# Altium PCB IMX6 DEV BOARD.PcbDoc (part 8 of 12) (continued)
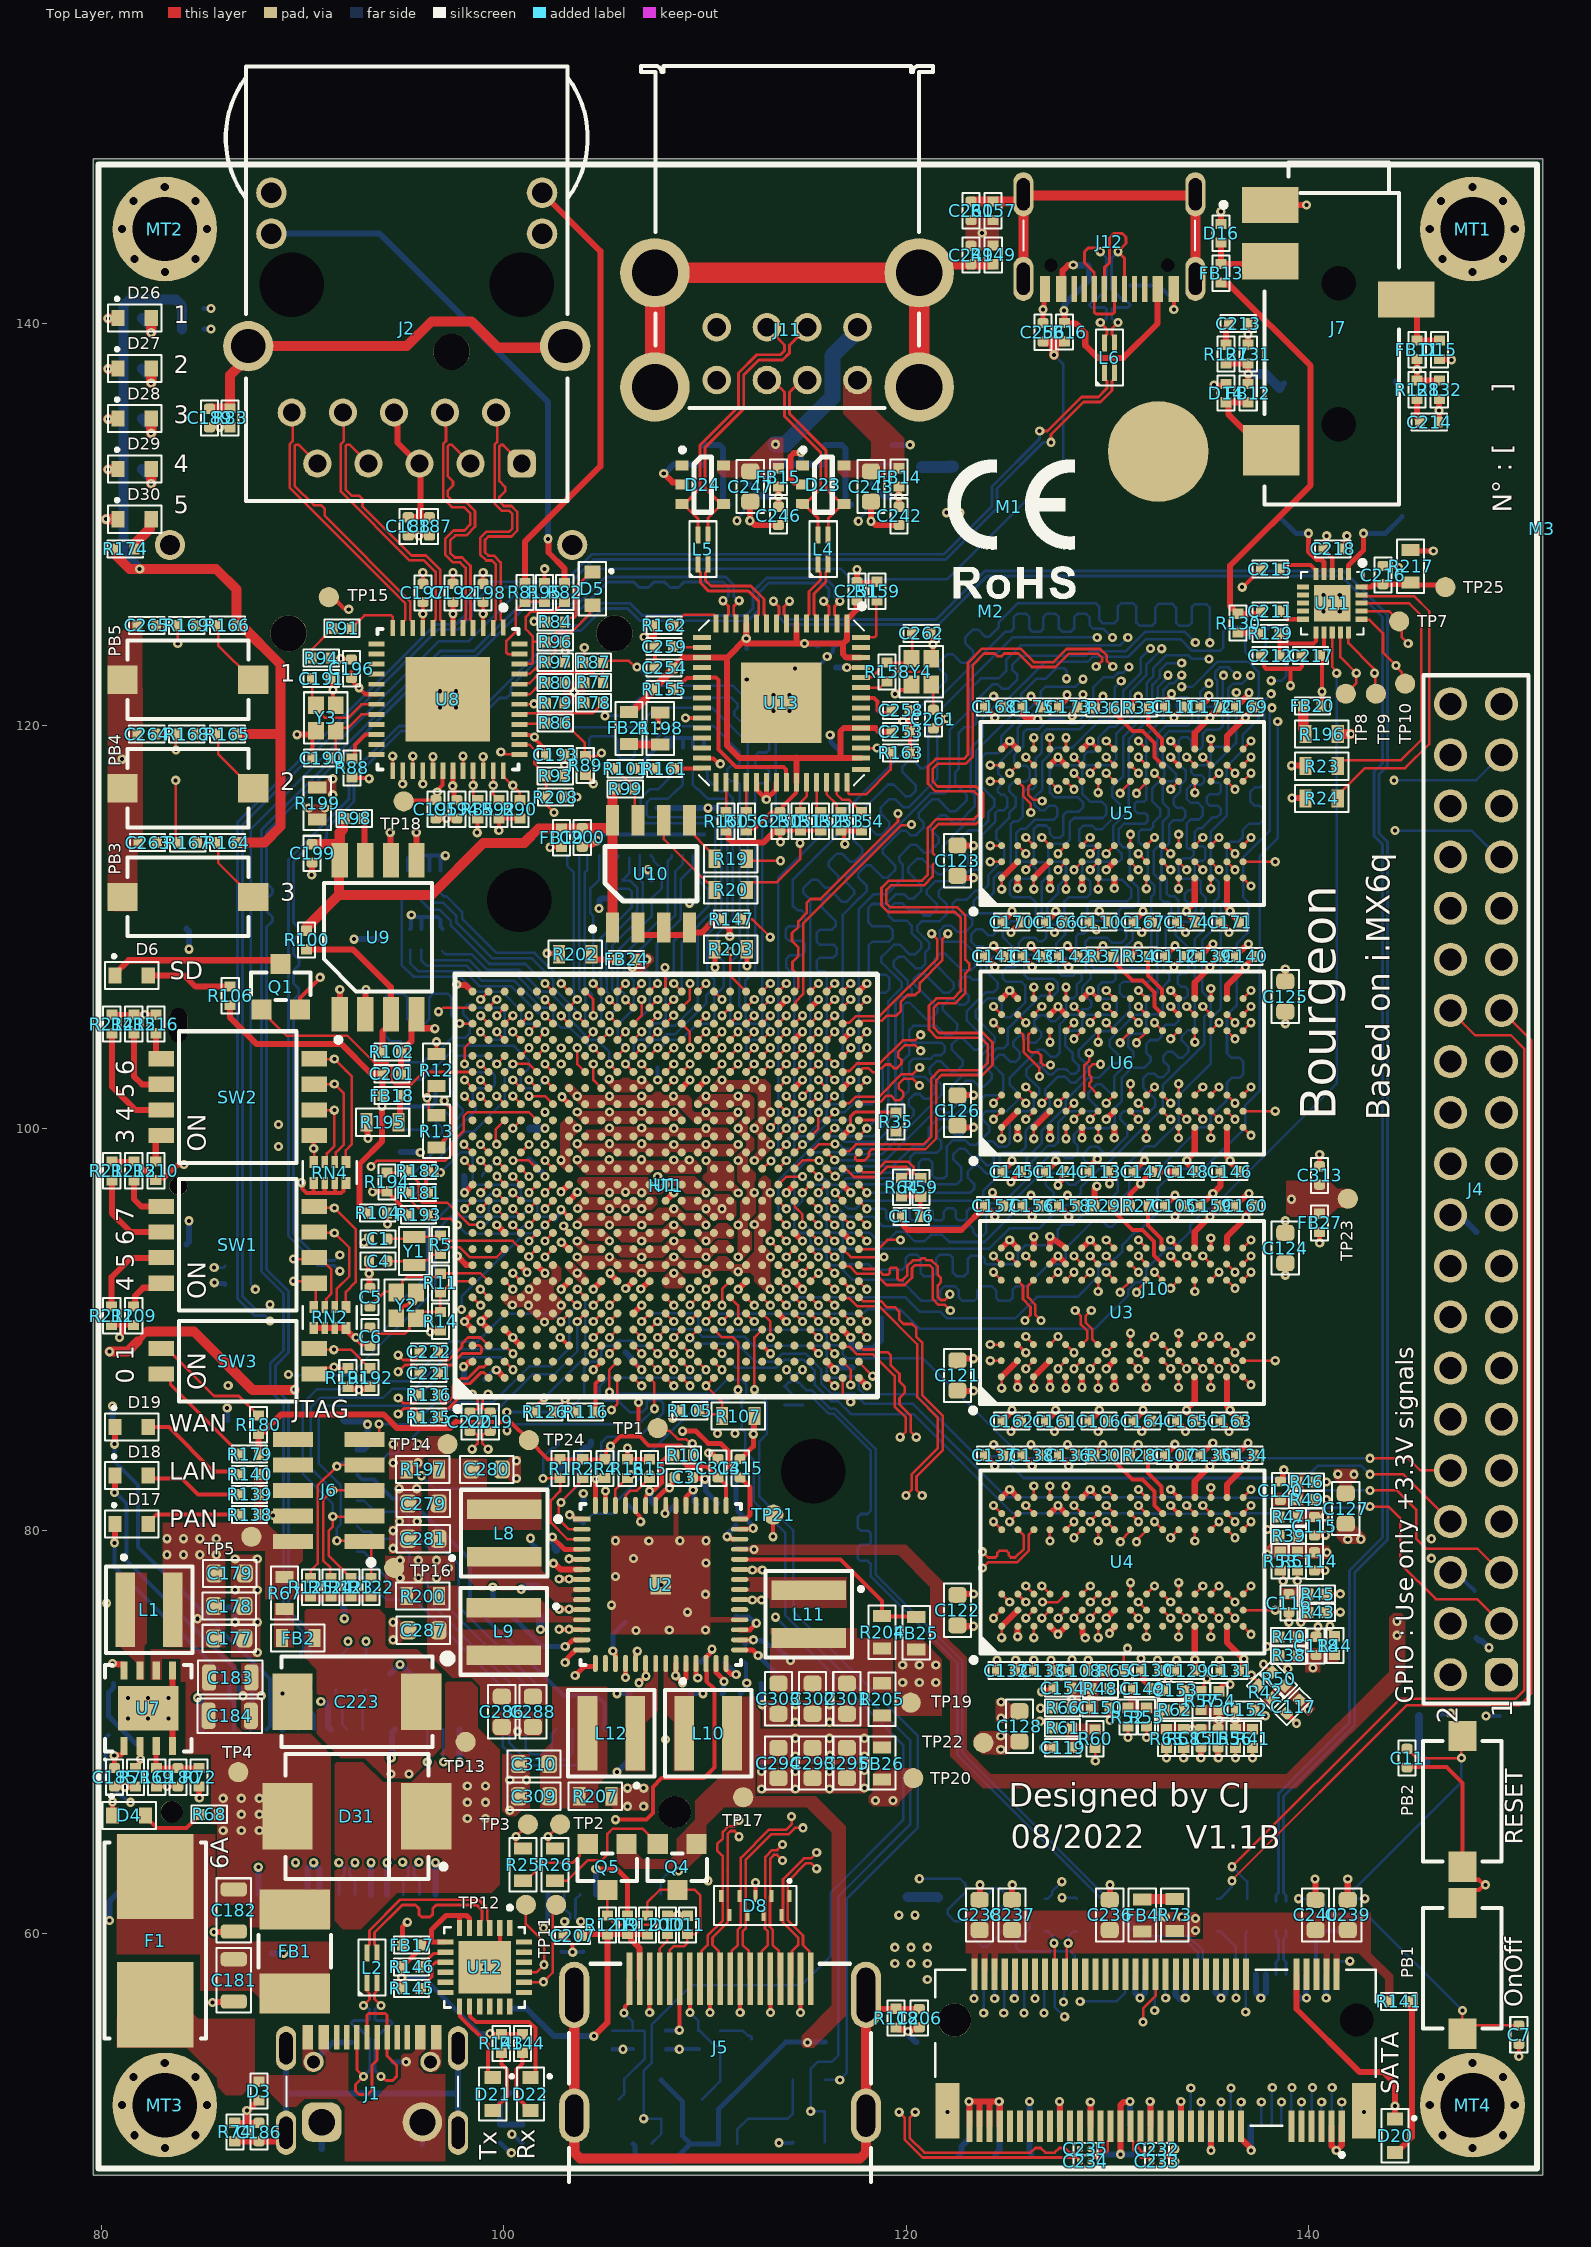
[diagram p0: Top Layer view]
## Nets (pads, with @x,y where several pads share a name; then routed paths per layer and width w, separated by ;. In a path a pad name is that pad's centre, name@x,y a point inside that pad or via, vN(x,y) a via of type N, cw(c..) or ccw(c..) an arc to the next point about the centre after c; other vN are vias at no path point) (continued)
  Bottom Layer w0.2: RN8.5@95.25,112.82 95.25,113.435 95.367,113.552 95.9,113.552 ; RN6.5@95.35,109.92 95.375,109.945 95.375,110.575 v1(95.4,110.6) 95.47,110.6 95.57,110.5 95.9,110.5 ; RN8.6@95.8,112.82 95.8,113.452 95.9,113.552 ; RN6.6@95.9,109.92 95.9,110.5 ; RN8.7@96.3,112.82 96.3,113.452 96.4,113.552 ; RN6.7@96.4,109.92 96.4,110.5 ; RN8.8@96.85,112.82 96.85,113.502 96.8,113.552 ; RN6.8@96.95,109.92 96.843,110.027 96.843,110.357 96.7,110.5 96.4,110.5 ; v1(97.093,113.552) 96.8,113.552 ; R137.1@99.05,87.5 99.05,87.521 99.469,87.94 99.579,87.94 v1(99.629,87.99) ; v1(100.4,50) 100.464,50 100.889,49.575 C208.2@100.925,49.575 ; R134.1@102.879,59.074 102.891,59.062 103.413,59.062 v1(103.425,59.05) 103.437,59.062 103.938,59.062 R133.1@103.95,59.074 ; RN5.5@103.15,114.608 RN5.6@103.7,114.608 RN5.7@104.2,114.608 RN5.8@104.75,114.608 RN1.5@105.696,114.608 RN1.6@106.246,114.608 RN1.7@106.746,114.608 RN1.8@107.296,114.608 RN7.5@108.35,114.608 RN7.6@108.9,114.608 RN7.7@109.4,114.608 RN7.8@109.95,114.608 ; R119.1@105.4,54.225 v1(105.925,54.225) 105.93,54.23 106.42,54.23 D13.2@106.425,54.236 ; v1(107.011,117.886) 107.011,118.344 108.067,119.4 108.35,119.4 ; v1(107.65,102.4) C72.2@107.65,103.025 ; R114.1@108.05,54.225 v1(108.725,54.225) 108.73,54.23 109.695,54.23 D12.2@109.7,54.236 ; RN3.5@108.35,118.92 108.35,119.4 ; RN3.6@108.9,118.92 108.9,119.4 ; RN3.7@109.4,118.92 109.4,119.4 ; RN3.8@109.95,118.92 109.95,119.283 109.833,119.4 109.4,119.4 ; C307.2@112,73.443 112.038,73.405 112.038,72.463 v1(112.075,72.425) ; v1(112.075,122.3) C255.2@112.075,122.918 ; C229.2@112.607,68.8 112.607,68.764 112.817,68.554 v1(112.817,68.031) ; v1(113.675,49.575) 114.325,49.575 R117.1@114.35,49.6 ; C257.2@115.593,122.9 115.593,122.921 116.37,123.698 116.37,123.863 C252.2@116.507,124 ; D25.2@131.15,141.89 132.56,141.89 133.3,141.15 v1(133.3,140.7) ; J4.6@147.325,77.92 147.33,77.92 148.08,77.17 148.102,77.17 148.247,77.025 C204.2@148.247,77.003 ; v1(148.825,70.793) 148.832,70.8 C202.2@149.5,70.8 ; 95.9,110.5 96.4,110.5 ; 95.9,113.552 96.4,113.552 ; 96.4,113.552 96.8,113.552 ; 108.35,119.4 108.9,119.4 ; 108.9,119.4 109.4,119.4
  Bottom Layer w0.25: C266.2@85.099,140.751 v1(85.442,140.751) ; v1(101.325,79.625) 101.365,79.585 101.365,79.406 101.7,79.071 R9.1@101.7,79.05 ; v1(101.97,60.26) 101.97,60.316 102.2,60.546 J8.15@102.2,61.925 ; v1@103.55,72.743 v1(103.55,72.8) ; v1(105.625,71.9) C308.2@106.293,71.9 ; C292.2@109.307,71.9 v1(109.9,71.9) ; v1(109.998,82.563) 110.038,82.523 110.038,81.969 110.636,81.371 C304.2@110.636,81.35 ; C289.2@111.757,71.875 111.757,71.897 112.035,72.175 112.035,72.385 v1(112.075,72.425) ; C311.2@112.793,72.4 112.821,72.371 112.821,71.354 112.85,71.325 v1@112.81,71.285
  Bottom Layer w0.3: v1(80.4,60.625) 80.4,61.575 J8.SH2@81.35,62.525 ; J9.Shield@80.535,85.315 80.55,85.33 v1(80.55,86.2) ; C225.2@83.268,72.125 83.296,72.096 83.296,71.704 v3(83.325,71.675) ; J3.11@84.225,94.225 84.35,94.35 v1(84.35,95.4) ; J3.13@84.225,109.925 84.35,109.8 v1@84.35,108.9 ; v1(84.771,71.696) 84.771,71.675 85,71.446 J8.50@85,70.125 ; v1(86.25,86.1) 86.25,85.515 J9.Shield@86.255,85.51 ; J9.Shield@86.255,76.18 86.56,76.18 86.65,76.09 v1(86.65,75.45) ; C231.2@86.807,72.175 86.807,72.154 87.009,71.953 87.009,71.822 v1(87.039,71.791) ; J8.43@87.8,61.925 v1(87.8,63.275) ; C226.2@88.45,58.986 C227.2@89.55,58.986 ; J8.40@89,70.125 v1(89,71.9) ; J8.37@90.2,61.925 90.249,61.974 90.249,63.199 v1(90.55,63.5) 90.55,63.457 90.85,63.157 90.85,62.075 J8.35@91,61.925 ; J1.1@90.55,53.6 91.51,54.56 D2.2@92.41,54.56 ; v1(90.905,71.507) 90.936,71.477 91.075,71.477 91.25,71.301 91.25,70.275 J8.34@91.4,70.125 ; J1.1@90.95,49.27 J1.1@90.95,50.6 ; J9.Shield@92.005,76.18 92.075,76.11 v1(92.075,75.625) ; J9.Shield@92.005,85.51 92.095,85.42 93.047,85.42 93.176,85.29 v1(93.22,85.29) 93.22,84.205 93.045,84.03 J9.C5@92.725,84.03 ; v1(92.55,109.4) 93.75,109.4 J3.12@93.825,109.475 ; v1(93.061,94.329) 93.444,94.329 J3.10@93.541,94.232 ; J8.29@93.4,61.925 v1(93.4,63.5) ; v1(94.198,63.5) v1(94.198,63.5) 94.199,61.926 J8.27@94.2,61.925 ; C230.2@94.35,72.904 94.371,72.904 94.811,73.343 v1(94.838,73.343) 94.868,73.313 94.92,73.313 95.329,72.904 C228.2@95.35,72.904 ; v1(94.4,68.7) 94.4,68.743 94.45,68.793 94.45,69.975 J8.26@94.6,70.125 ; J3.6@94.875,98.825 94.888,98.812 95.837,98.812 v1(95.85,98.8) ; J8.21@96.6,61.925 v1(96.6,63.5) ; v1(97.8,68.5) J8.18@97.8,70.125 ; R142.1@98.025,97.625 98.038,97.613 98.038,96.813 v1(98.05,96.8) ; C51.2@101.25,98.45 101.273,98.45 101.55,98.173 101.55,98.15 101.97,97.73 101.97,97.723 102.05,97.643 v1(102.05,97.6) ; v1(104.575,63.182) 104.588,63.17 104.588,61.938 J8.9@104.6,61.925 ; v1(104.65,114.3) 104.681,114.331 104.681,114.538 RN5.8@104.75,114.608 ; v1(105.625,68) 106.45,68.825 106.45,69.975 J8.4@106.6,70.125 ; C92.2@106.05,88.85 106.073,88.85 106.319,88.604 106.319,88.531 v1(106.85,88) ; v1(107.95,132.55) 107.993,132.55 108.443,133 U15.2@109.887,133 ; v1(112.4,84.8) C80.2@112.4,85.8 ; C248.2@113.35,133.014 113.357,133.007 115.943,133.007 U14.2@115.95,133 ; C241.2@114.775,133.014 v1(114.775,133.6) ; v1(117.244,89.6) 117.275,89.569 117.275,89.127 117.352,89.05 118.344,89.05 118.75,89.457 118.75,90.446 R32.1@118.75,90.55 ; C244.2@119.325,133.957 119.334,133.966 120.191,133.966 v1(120.2,133.975) ; v1(120.098,55.103) 120.128,55.072 120.128,54.924 120.477,54.575 C267.2@120.5,54.575 ; C268.2@122.636,49 122.74,49.104 122.74,49.381 123.127,49.768 J10.1A@123.127,50.393 123.127,51.018 123.125,51.02 v1(123.125,51.625) ; C271.2@124.45,49 124.45,49.021 124.627,49.198 J10.7A@124.627,50.393 124.627,51.018 124.625,51.02 v1(124.625,51.625) ; v1(125.375,56.75) 125.375,57.316 125.377,57.318 J10.10A@125.377,57.943 ; v1(126.125,51.625) 126.127,51.623 J10.13A@126.127,50.393 126.127,49.13 126.236,49.021 C270.2@126.236,49 ; v1(127.625,51.625) 127.625,51.02 127.627,51.018 J10.19A@127.627,50.393 ; C269.2@129.764,49 v1(130.65,49) C272.2@131.536,49 C272.2@131.536,49.021 ; v1(131.125,51.625) 131.127,51.623 J10.33A@131.127,50.393 ; J10.34A@131.377,57.943 131.377,57.023 v1(131.625,56.775) 131.877,57.027 J10.36A@131.877,57.943 ; v1(132.125,51.625) 132.125,51.02 132.127,51.018 J10.37A@132.127,50.393 ; J10.42A@133.377,57.943 133.377,56.94 133.592,56.725 133.875,56.725 133.877,56.727 J10.44A@133.877,57.943 ; J10.43A@133.627,50.393 133.627,51.093 133.625,51.095 133.625,51.6 v1(133.65,51.625) ; J10.49A@135.127,50.393 135.127,49.223 v1(135.15,49.2) ; J10.50A@135.377,57.943 135.377,57.041 v1@135.65,56.768 ; v1@135.65,56.725 v1@135.65,56.768 ; J10.52A@135.877,57.943 135.877,56.995 v1@135.65,56.768 ; J10.57A@137.127,50.393 137.127,49.223 v1(137.15,49.2) ; J10.58A@137.377,57.943 137.377,57.016 v1@137.625,56.768 ; v1@137.625,56.725 v1@137.625,56.768 ; J10.60A@137.877,57.943 137.877,57.02 v1@137.625,56.768 ; J10.66A@139.377,57.943 139.377,56.948 139.569,56.756 139.869,56.756 v1@139.877,56.748 ; J10.68A@139.877,57.943 v1@139.877,56.748 ; v1@139.9,56.725 v1@139.877,56.748 ; v1@140.875,56.75 140.877,56.752 J10.72A@140.877,57.943 ; J4.20@147.05,95.7 147.327,95.423 147.764,95.423 148.329,94.857 C203.2@148.35,94.857 ; C205.2@148.35,74.657 148.454,74.553 148.581,74.553 148.949,74.185 v1(148.968,74.185)
  Bottom Layer w0.4: v1(100.861,77.09) 100.877,77.09 100.987,77.2 101.35,77.2 101.375,77.225 C277.2@101.65,77.225
  other v1: 122.05,51.1 142.75,51.1 133.875,56.775 135.65,56.775 137.625,56.775 139.9,56.775 140.875,56.775 89.05,59 110.15,62.6 100.3,66.1 112.817,67.156 114.492,67.156 116.192,67.156 117.917,67.206 100.297,67.607 101.122,67.607 114.492,68.031 116.192,68.031 117.917,68.081 100.676,70.03 114.492,70.475 116.192,70.475 124.717,70.681 100.676,70.81 112.85,71.35 114.492,71.35 116.192,71.35 124.721,71.479 87.939,71.791 132.49,73.575 87.75,73.95 94.499,74.574 106.565,75.043 108.225,75.063 110.025,75.063 87.75,75.45 94.499,75.449 109.125,75.95 105.35,76.3 80.25,76.4 110.025,76.837 86.65,77.05 87.75,77.05 107.825,77.3 105.55,77.725 110.05,78.4 86.646,78.59 87.746,78.59 106.45,78.612 94.5,79.125 105.55,79.5 107.206,79.492 108.75,79.5 110.05,79.5 94.5,80 94.819,80.467 95.694,80.467 88.532,80.756 94.798,82.087 95.673,82.087 100.626,82.601 141.456,82.808 142.254,82.804 100.626,83.476 115.636,88.807 100.45,89.6 102.025,90.375 100.42,91.214 101.225,91.2 102.85,91.2 101.25,92 113.225,92 109.25,92.016 106.853,92.813 110.075,92.8 111.65,92.875 103.65,93.6 105.25,93.6 108.45,93.6 113.25,93.6 106.85,94.4 108.45,95.2 112.45,95.225 103.673,96.02 105.25,96 106.05,96 106.85,96 110.05,96 110.85,96 113.243,96.8 107.65,97.6 112.45,98.4 102.05,99.2 108.45,99.2 110.05,99.2 111.65,99.2 113.25,99.2 103.65,99.233 105.25,99.233 106.85,99.233 112.45,100 102.05,100.8 110.05,100.8 111.639,100.803 113.25,100.8 103.65,101.6 105.25,101.6 106.85,101.6 108.433,101.598 110.85,102.4 112.45,102.4 102.85,103.994 84.352,108.902 81.025,118.35 113.4,120.75 114.2,120.75 96.825,120.925 97.625,120.925 113.4,121.55 114.2,121.55 96.825,121.725 97.625,121.725 114.475,122.85 91.894,123.346 116.076,123.457 103.05,123.7 140.75,125.7 141.55,125.7 140.75,126.5 141.55,126.5 123.775,144.5
  other v2: 83.15,49.325 148.15,49.325 81.65,49.95 84.675,49.95 146.65,49.95 149.675,49.95 81.025,51.45 85.25,51.45 146.025,51.45 150.25,51.45 81.585,52.85 84.675,52.85 146.585,52.85 149.675,52.85 83.148,53.533 148.148,53.533 83.15,142.575 148.15,142.575 81.65,143.2 84.675,143.2 146.65,143.2 149.675,143.2 81.025,144.7 85.25,144.7 146.025,144.7 150.25,144.7 81.585,146.1 84.675,146.1 146.585,146.1 149.675,146.1 83.148,146.783 148.148,146.783
  other v3: 81.325,70.675 82.325,70.675 81.325,71.675 82.325,71.675
GPIO_10: J4.16 U1.W20 | length 82.4
  Top Layer w0.125: U1.W20@112.844,102.8 v1(113.244,103.2)
  Inner 5 w0.11: v1(113.244,103.2) 113.308,103.264 113.308,103.509 113.636,103.837 113.636,105.78 113.864,106.007 114.206,106.007 114.45,106.251 114.45,109.35 113.213,110.587 113.213,114.251 126.628,127.666 135.334,127.666 140.282,122.718 140.282,117.875 144.458,113.699 144.458,93.212 J4.16@147.05,90.62
GPIO_11: J4.18 U1.N19 | length 83.2
  Top Layer w0.125: U1.N19@108.047,102 v1@108.447,102.4
  Top Layer w0.2: U1.N19@108.044,102 U1.N19@108.047,102 ; v1@108.447,102.4 v1(108.45,102.4)
  Inner 2 w0.11: v1(108.45,102.4) 108.85,102.8 111.799,102.8 112.048,103.049 112.048,103.359 112.287,103.598 112.597,103.598 112.85,103.851 112.85,104.7 112.851,104.701 112.851,105.019 113.032,105.2 113.458,105.2 113.636,105.379 113.636,106.614 113.443,106.808 113.081,106.808 112.851,107.037 112.851,107.352 113.119,107.62 113.119,108.369 116.55,111.8 116.55,115.313 120.277,119.04 123.934,119.04 125.55,120.655 125.55,121.466 126.507,122.423 126.507,124.765 128.242,126.5 133.8,126.5 137.004,123.296 138.396,123.296 139.736,121.957 139.736,118.2 143.4,114.536 143.4,96.81 J4.18@147.05,93.16
GPIO_14: J4.22 U1.P20 | length 79.7
  Top Layer w0.125: U1.P20@108.844,102.8 108.847,102.8 109.247,103.2 v1(109.25,103.2)
  Inner 5 w0.11: v1(109.25,103.2) 110.15,103.2 110.451,103.501 110.451,104.963 110.696,105.208 111.013,105.208 111.25,105.445 111.25,106.098 111.65,106.498 111.65,108.186 112.037,108.572 112.037,114.725 118.5,121.189 118.5,121.784 125.537,128.821 136.717,128.821 140.483,125.055 140.486,125.055 142.822,122.718 142.822,122.223 144.874,120.171 144.874,100.416 J4.22@147.05,98.24
GPIO_20: J4.29 U1.R25 | length 74.7
  Top Layer w0.125: U1.R25@109.644,106.8 v1(110.044,107.2)
  Inner 2 w0.125: v1(110.044,107.2) 109.98,107.264 109.98,107.539 109.634,107.886 109.634,111.032 111.932,113.33 111.932,116.778 117.718,122.564 117.718,122.691 126.17,131.144 139.268,131.144 140.443,129.968 140.443,129.112 141.279,128.277 142.292,128.277 144.31,126.259 145.612,126.259 147.002,124.869 147.002,122.688 145.891,121.577 145.891,115.285 146.476,114.7 147.653,114.7 148.35,114.003 148.35,109.915 J4.29@149.865,108.4
GPIO_21: J4.31 U1.R23 | length 77.1
  Top Layer w0.125: U1.R23@109.644,105.2 109.647,105.2 110.047,105.6 v1(110.05,105.6)
  Inner 2 w0.125: v1(110.05,105.6) 110,105.6 108.843,106.758 108.843,107.43 108.431,107.841 108.431,109.692 107.944,110.179 107.944,111.916 110.596,114.568 110.596,116.859 113.793,120.056 113.793,120.898 114.037,121.143 114.348,121.143 125.538,132.333 140.003,132.333 142.047,130.288 142.664,130.288 144.12,128.832 144.639,128.832 150.797,122.675 150.797,111.872 J4.31@149.865,110.94
GPIO_23: J4.33 U1.W21 | length 62.6
  Top Layer w0.125: U1.W21@112.844,103.6 v1(113.244,104)
  Inner 5 w0.11: v1(113.244,104) 112.851,104.393 112.851,109.336 112.85,109.337 112.85,109.663 112.851,109.664 112.851,114.442 126.464,128.055 136.245,128.055 140.9,123.4 140.9,122.2 143.715,119.385 143.715,115.385 v1(144.3,114.8)
  Bottom Layer w0.125: v1(144.3,114.8) 148.1,114.8 149.42,113.48 J4.33@149.59,113.48
GPIO_24: J4.35 U1.P24 | length 68.8
  Top Layer w0.125: U1.P24@108.844,106 109.25,106.406 v1(109.25,107.2)
  Inner 2 w0.125: v1(109.25,107.2) 109.186,107.264 109.186,107.475 108.826,107.835 108.826,110.064 108.36,110.53 108.36,111.591 111.044,114.274 111.044,116.819 116.459,122.235 116.459,122.864 116.96,123.366 117.278,123.366 125.869,131.957 139.718,131.957 141.778,129.897 142.113,129.897 142.321,129.689 142.321,129.339 143.248,128.412 144.512,128.412 148.52,124.405 148.52,117.039 149.539,116.02 J4.35@149.59,116.02
GPIO_25: J4.36 U1.U21 | length 70.7
  Top Layer w0.125: U1.U21@111.244,103.6 v1(111.644,104)
  Inner 2 w0.125: v1(111.644,104) 111.58,104.064 111.335,104.064 110.992,104.408 110.681,104.408 110.447,104.642 110.447,105.763 109.651,106.559 109.651,107.399 109.228,107.822 109.228,110.422 108.786,110.864 108.786,111.412 111.491,114.117 111.491,116.771 117.443,122.722 117.443,123.025 125.962,131.544 139.471,131.544 141.381,129.634 141.381,129.182 141.879,128.684 142.449,128.684 143.833,127.3 145.083,127.3 148.127,124.255 148.127,117.039 J4.36@147.217,116.128
GPIO_26: J4.37 U1.U20 | length 63.2
  Top Layer w0.125: U1.U20@111.244,102.8 v1(111.644,103.2)
  Inner 5 w0.11: v1(111.644,103.2) 111.25,103.594 111.25,104.961 111.488,105.199 111.798,105.199 112.036,105.437 112.036,107.109 112.575,107.647 112.575,108.364 112.414,108.526 112.414,114.569 119.021,121.176 119.021,121.733 119.328,122.04 119.908,122.04 126.291,128.423 136.477,128.423 141.824,123.076 141.824,121.912 144.25,119.486 v1(144.25,117.3)
  Bottom Layer w0.125: v1(144.25,117.3) 148.33,117.3 J4.37@149.59,118.56
GPIO_27: J4.38 U1.R21 | length 62.1
  Top Layer w0.125: U1.R21@109.644,103.6 v1(110.044,104)
  Inner 5 w0.11: v1(110.044,104) 109.98,104.064 109.98,104.309 109.65,104.639 109.65,106.226 110.484,107.06 110.484,107.434 110.068,107.849 110.068,109.457 110.9,110.288 110.9,115.968 124.85,129.918 137.419,129.918 140.237,127.1 140.8,127.1 141.135,126.765 141.135,126.371 141.421,126.085 141.779,126.085 143.664,124.2 144.275,124.2 145.987,122.488 145.987,119.623 J4.38@147.05,118.56
GPIO_28: J4.40 U1.P23 | length 61.6
  Top Layer w0.125: U1.P23@108.85,105.206 108.85,105.194 109.25,104.794 v1(109.25,104)
  Inner 5 w0.11: v1(109.25,104) 109.25,104.64 109.39,104.78 109.39,106.519 109.635,106.764 109.635,109.573 110.541,110.479 110.541,116.155 116.539,122.154 116.539,122.972 117.084,123.516 117.916,123.516 124.716,130.316 137.584,130.316 140.4,127.5 141.2,127.5 144,124.7 144.9,124.7 147.05,122.55 J4.40@147.05,121.1
GPIO_I2C0_SCL: J4.28 R109.1 | length 56.4
  Top Layer w0.125: v1@136.177,63.277 v1(136.2,63.3) 144.543,71.643 150.293,71.643 150.717,72.067 150.717,103.967 150.056,104.628 148.282,104.628 J4.28@147.05,105.86
  Bottom Layer w0.125: v1(136.2,63.3) 136.95,62.55 R109.1@136.95,61.7
GPIO_I2C0_SDA: J4.27 R108.2 | length 54.6
  Top Layer w0.125: v1@136.159,62.6 144.872,71.313 150.485,71.313 151.067,71.895 151.067,104.383 J4.27@149.59,105.86
  Bottom Layer w0.125: R108.2@135.45,61.7 135.6,61.7 135.838,61.937 135.838,61.942 136.177,62.282 136.177,62.577 v1(136.2,62.6)
GPIO_I2C1_SCL: J4.5 U1.R4 | length 47.7
  Top Layer w0.125: v1(109.244,89.588) 109.244,89.594 109.644,89.994 U1.R4@109.644,90 ; v1@142.983,82 v1(143.05,82) 144.397,82 145.35,81.047 145.35,79.604 145.854,79.1 148.41,79.1 J4.5@149.59,77.92
  Bottom Layer w0.125: v1(109.244,89.588) 109.258,89.588 109.546,89.3 111.6,89.3 112.495,88.405 113.466,88.405 113.861,88.8 114.994,88.8 115.776,88.018 115.776,87.312 116.281,86.807 116.861,86.807 116.862,86.809 117.441,86.809 117.946,86.304 120.335,86.304 124.981,81.658 134.635,81.658 134.65,81.643 138.997,81.643 139.148,81.492 139.792,81.492 140.3,82 v1@142.95,82
GPIO_I2C1_SDA: J4.3 U1.T3 | length 47.2
  Top Layer w0.125: U1.T3@110.456,89.203 110.456,89.192 110.837,88.811 v1(110.84,88.811) ; v1@143.1,81.2 143.978,81.2 144.55,80.628 144.55,78.376 146.326,76.6 148.37,76.6 J4.3@149.59,75.38
  Bottom Layer w0.125: v1(110.84,88.811) 111.551,88.1 113.55,88.1 113.95,88.5 114.905,88.5 115.465,87.94 115.465,87.235 116.274,86.426 116.624,86.426 117.251,85.799 120.354,85.799 125.295,80.858 132.235,80.858 132.25,80.843 136.181,80.843 136.196,80.857 139.857,80.857 140.135,81.135 142.806,81.135 142.811,81.14 142.982,81.14 v1(143.046,81.204)
GPIO_I2S_RxD: J4.7 U1.P25 | length 107
  Top Layer w0.125: v1(108.45,107.2) 108.45,107.197 108.844,106.803 U1.P25@108.844,106.8
  Inner 5 w0.11: v1(108.45,107.2) 108.433,107.217 108.433,109.528 109.708,110.803 109.708,115.122 109.3,115.53 109.3,116.4 109.756,116.856 110.161,116.856 112.899,119.594 112.899,120.956 113.09,121.148 113.575,121.148 113.811,121.384 113.811,121.789 114.037,122.014 114.532,122.014 115.536,123.018 115.536,123.461 116.331,124.257 117.518,124.257 124.372,131.111 141.089,131.111 142.304,129.896 142.304,129.157 144.055,127.407 144.927,127.407 150.578,121.757 150.578,90.06 150.06,89.542 148.889,89.542 148.148,88.801 148.148,81.902 J4.7@149.59,80.46
GPIO_I2S_TXC: J4.13 U1.N21 | length 104.1
  Top Layer w0.125: U1.N21@108.044,103.6 108.047,103.6 108.447,104 v1(108.45,104)
  Inner 5 w0.11: v1(108.45,104) 108.45,104.575 108.832,104.957 108.832,106.518 108.829,106.521 108.829,106.559 108.588,106.8 108.306,106.8 108.029,107.077 108.029,107.431 107.55,107.909 107.55,109.806 108.4,110.656 108.4,117 112.22,120.82 112.22,121.52 113.474,122.774 113.474,123.274 115.219,125.019 117.161,125.019 121.488,129.346 121.488,130.788 121.9,131.2 123.335,131.2 124.018,131.882 141.604,131.882 151.145,122.341 151.145,89.635 J4.13@149.59,88.08
GPIO_I2S_TxD: J4.11 U1.N25 | length 101.5
  Top Layer w0.125: v1(108.007,107.997) 108.036,107.968 108.036,106.808 U1.N25@108.044,106.8
  Inner 5 w0.11: v1(108.007,107.997) 108.05,108.04 108.05,109.75 108.8,110.5 108.8,116.785 112.556,120.541 112.556,121.289 113.924,122.657 113.924,122.958 114.262,123.297 114.756,123.297 116.109,124.65 117.35,124.65 124.209,131.509 141.391,131.509 150.877,122.023 150.877,89.911 150.169,89.202 149.202,89.202 148.481,88.481 148.481,86.649 J4.11@149.59,85.54
GPIO_I2S_TXFS: J4.15 U1.N20 | length 95.6
  Top Layer w0.125: U1.N20@108.044,102.8 108.049,102.8 108.444,103.195 v1(108.45,103.195)
  Inner 5 w0.11: v1(108.45,103.195) 108.865,103.61 108.865,104.622 109.092,104.85 109.092,106.813 108.848,107.058 108.848,109.347 110.127,110.626 110.127,115.241 109.705,115.663 109.705,116.209 109.945,116.45 110.27,116.45 113.805,119.985 113.805,120.932 114.028,121.155 114.929,121.155 116.125,122.351 116.125,122.925 117.137,123.937 117.773,123.937 124.557,130.721 137.779,130.721 140.6,127.9 141.396,127.9 144.196,125.1 145.057,125.1 148.454,121.702 148.454,91.756 J4.15@149.59,90.62
GPIO_PWM0: J4.12 U1.T25 | length 92.1
  Top Layer w0.125: U1.T25@110.444,106.8 110.447,106.8 110.847,106.4 v1(110.85,106.4)
  Inner 5 w0.11: v1(110.85,106.4) 111.265,106.815 111.265,108.234 111.658,108.627 111.658,115.537 125.302,129.181 136.919,129.181 140.365,125.735 140.365,125.541 140.591,125.315 140.785,125.315 142.793,123.307 143.319,123.307 145.284,121.343 145.284,106.616 145.85,106.05 145.85,100.25 146.7,99.4 147.5,99.4 148.144,98.756 148.144,89.817 147.692,89.365 146.602,89.365 145.97,88.732 145.97,86.62 J4.12@147.05,85.54
GPIO_PWM1: J4.32 U1.R22 | length 67.4
  Top Layer w0.125: U1.R22@109.644,104.4 v1(110.044,104.8)
  Inner 5 w0.11: v1(110.044,104.8) 110.111,104.867 110.111,105.055 110.45,105.394 110.45,106.589 110.953,107.093 110.953,108.286 110.76,108.479 110.76,109.652 111.283,110.175 111.283,115.758 125.075,129.55 137.15,129.55 140.615,126.085 140.909,126.085 141.165,125.829 141.165,125.541 142.906,123.8 144.17,123.8 145.657,122.313 145.657,112.333 J4.32@147.05,110.94
GPIO_SPI_CLK: J4.23 U1.U23 | length 80.8
  Top Layer w0.125: U1.U23@111.244,105.2 v1(111.644,105.6)
  Inner 2 w0.125: v1(111.644,105.6) 111.644,105.691 111.518,105.817 111.518,106.833 111.178,107.172 111.178,108.266 110.77,108.674 110.77,110.346 113.35,112.926 113.35,114.6 113.856,115.106 113.856,116.625 117.35,120.12 117.35,120.723 126.569,129.942 137.323,129.942 140.265,127.001 141.749,127.001 143.624,125.126 145.153,125.126 145.924,124.354 145.924,123.135 144.768,121.979 144.768,103.811 146.526,102.053 148.539,102.053 J4.23@149.812,100.78